# Altium PCB board.PcbDoc (part 2 of 3)
Units mm, origin at the board's own origin, x right, y up, seen from the top; angles counter-clockwise.
Board outline 44 x 64 mm, 2 copper layers (Top Layer, Bottom Layer), stack 1.5 mm thick; 184 components, 127 nets, 586 pads, 334 vias.
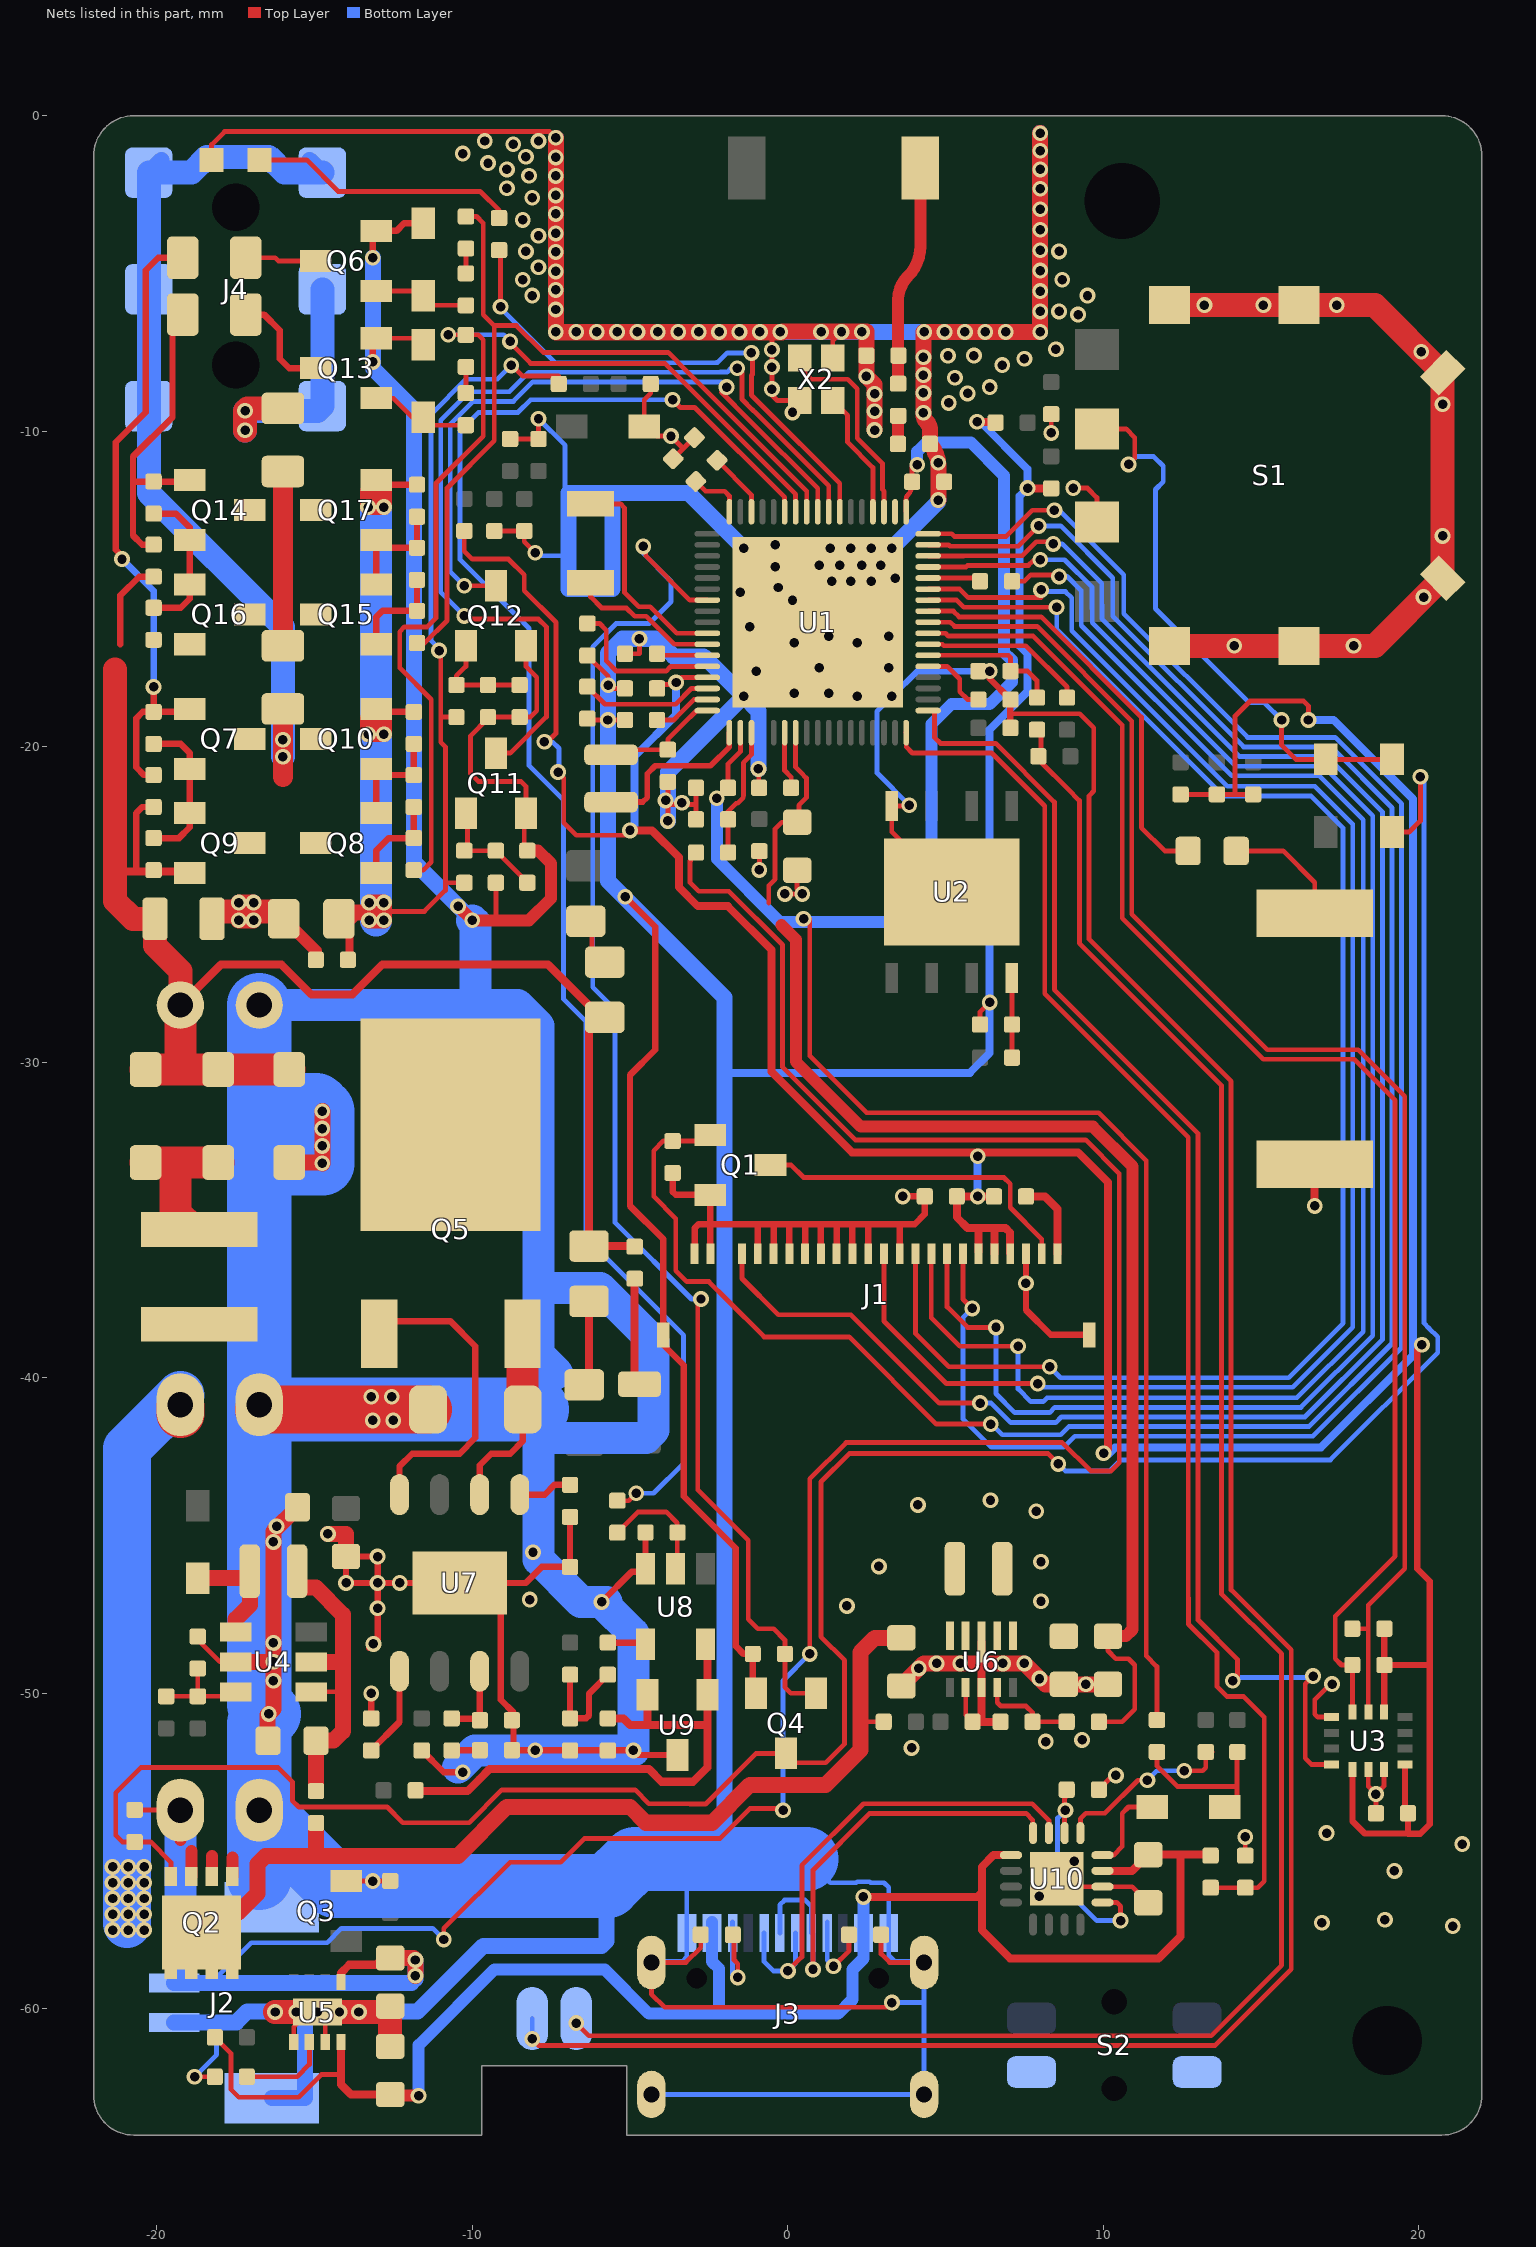
[diagram p2: the nets of this part, all layers, seen from the top]

## Via types
v1: diameter 0.5, hole 0.3, Top Layer to Bottom Layer, tented both sides, 334 vias

## Nets (pads, with @x,y where several pads share a name; then routed paths per layer and width w, separated by ;. In a path a pad name is that pad's centre, name@x,y a point inside that pad or via, vN(x,y) a via of type N, cw(c..) or ccw(c..) an arc to the next point about the centre after c; other vN are vias at no path point) (continued)
GND: BZ1.2 C1.1 C2.1 C3.1 C4.1 C5.1 C6.1 C7.1 C8.1 C9.1 C11.1 C13.2 C14.1 C15.1 C16.1 C17.2 C18.2 C19.2 C20.1 C21.1 C22.1 C23.1 C24.1 C25.1 C26.1 C27.1 C28.2 C29.2 C30.2 C32.2 C33.2 C34.2 C35.2 C36.2 C37.1 C38.1 C39.1 C40.1 C41.2 C42.1 C43.2 C44.1 C46.2 C47.1 C48.1 C50.1 C52.1 C53.1 C54.2 C55.1 C56.1 D6.1 D7.1 D8.1 D9.1 J1.0 J1.3 J1.11 J1.13 J1.14 J1.15 J1.16 J1.17 J1.18 J1.19 J1.20 J1.23 J1.24 J2.0 J2.2 J3.A1/B12 J3.B1/A12 J3.MH1 J3.MH2 J3.MH3 J3.MH4 LED1.2 MIC1.2 Q1.S Q3.S Q4.S Q6.E Q11.E Q12.E Q13.E R3.2 R10.1 R16.2 R19.1 R21.2 R23.1 R24.1 R25.1 R26.1 R29.1 R30.1 R32.1 R34.2 R36.2 R40.1 R43.1 R47.1 R57.2 R66.2 R69.2 S1.1 S1.2 S1.3 S1.4 S1.5 S1.6 S1.C S2.2 U1.0 U2.4 U3.1 U3.6 U3.7 U4.2 U5.0 U5.1 U5.3 U6.2 U6.3 U6.8 U7.0 U8.3 U9.3 U10.0 U10.2 X2.2 X2.4 | length 674.4
  Top Layer w0.152: v1(-18.8,-62.15) R21.2@-18.158,-62.15 ; R23.1@-18.692,-48.1 -18.7,-48.092 R23.1@-18.7,-48.196 -18.7,-48.3 -18,-49 U4.2@-17.5,-49 U4.2@-17.508,-48.992 ; LED1.2@-18.262,-1.4 -18.262,-0.912 -17.85,-0.5 -7.55,-0.5 v1(-7.35,-0.7) ; U5.1@-15.659,-61.048 -15.659,-60.569 -15.439,-60.348 -15.16,-60.348 v1(-14.909,-60.098) -14.659,-60.348 U5.3@-14.659,-61.048 ; Q3.S@-13.997,-55.95 v1(-13.15,-55.95) -13.142,-55.942 R24.1@-12.6,-55.942 ; Q13.E@-13.047,-7.05 -11.75,-7.05 D8.1@-11.55,-7.25 ; R10.1@-9.3,-13.158 C23.1@-8.35,-13.158 ; R57.2@-9.25,-24.308 -9.25,-25.35 -9.1,-25.5 ; C48.1@-8.8,-10.242 R47.1@-7.9,-10.242 v1(-7.9,-9.6) ; C50.1@-8.35,-23.292 -8.35,-22.153 Q11.E@-8.3,-22.103 -8.3,-21.25 -8.45,-21.1 -9.8,-21.1 -10.05,-20.85 -10.05,-19.65 -9.5,-19.1 R66.2@-9.5,-19.058 C56.1@-8.5,-19.058 -8.158,-19.058 -7.955,-18.855 -7.955,-17.795 -8.011,-17.739 ; C23.1@-8.35,-13.358 -8.35,-13.5 v1(-8,-13.85) ; Q12.E@-8.3,-16.803 -8.3,-17.45 -8.191,-17.559 ; -8.19,-17.559 -8.011,-17.738 ; v1(-8.1,-60.95) -7.895,-61.155 -2.994,-61.155 13.545,-61.155 15.955,-58.745 15.955,-48.624 14.05,-46.719 14.05,-30.6 9.55,-26.1 9.55,-21.55 9.7,-21.4 9.7,-19.4 9.25,-18.95 7.058,-18.95 ; C7.1@-6.35,-19.108 -6.308,-19.15 v1(-5.7,-19.15) C8.1@-5.158,-19.15 ; C6.1@-6.35,-17.108 -5.688,-17.77 v1(-5.688,-18.05) -5.694,-18.056 -5.6,-18.15 C18.2@-5.158,-18.15 ; C5.1@-5.158,-17.05 -4.699,-17.05 v1(-4.699,-16.575) ; C53.1@-4.342,-8.5 -4.342,-8.792 -4.55,-9 -4.55,-9.75 -4.15,-10.15 v1(-3.7,-10.15) -3.305,-10.545 ; v1@-3.9,-21.7 -3.8,-21.6 C21.1@-3.8,-21.108 ; v1(-3.871,-21.7) -3.871,-21.754 v1@-3.8,-21.825 ; v1(-3.8,-22.35) v1@-3.8,-21.825 ; C4.1@-3.631,-10.871 -3.305,-10.545 ; R3.2@-2.959,-10.199 -3.305,-10.545 ; C20.1@-2.908,-22.3 -2.908,-21.825 ; C19.2@-2.908,-21.3 -2.908,-21.825 ; R26.1@-2.758,-57.65 -2.758,-58.058 -3.228,-58.528 J3.MH4@-4.32,-58.528 -4.32,-59.53 -3.9,-59.95 3.15,-59.95 v1(3.3,-59.8) ; v1(-0.929,-20.702) -0.918,-20.712 -0.918,-21.29 C3.1@-0.908,-21.3 ; v1(-0.9,-23.9) C17.2@-0.9,-23.308 ; -0.5,-6.861 v1(-0.5,-7.413) v1(-0.5,-7.965) v1(-0.5,-8.662) -0.5,-8.85 -0.325,-9.025 X2.2@0.375,-9.025 ; v1@-0.186,-6.8 0.263,-6.8 1.011,-6.8 1.45,-6.8 1.494,-6.844 1.6,-6.95 1.425,-7.125 X2.4@1.425,-7.675 ; v1(-0.088,-24.662) v1(0.462,-24.662) 0.296,-24.496 0.296,-23.916 C16.1@0.3,-23.912 ; R25.1@2.958,-57.65 2.958,-58.258 3.228,-58.528 J3.MH1@4.32,-58.528 ; v1(3.85,-21.85) 3.82,-21.88 U2.4@3.295,-21.88 3.295,-22.695 U2.4@5.2,-24.6 ; U2.4@3.9,-24.6 U2.4@4.85,-24.6 ; U6.2@5.639,-49.819 5.639,-50.681 C37.1@5.858,-50.9 ; C15.1@6.092,-28.8 6.092,-28.408 v1(6.4,-28.1) ; v1(8.35,-10.05) C24.1@8.35,-9.458 ; U10.0@8.525,-55.875 8.775,-56.125 U10.2@9.975,-56.125 10.913,-56.125 C54.2@11.425,-56.637 ; v1(9.05,-11.8) 9.5,-11.8 9.8,-12.1 S1.C@9.8,-12.875 ; C55.1@9.858,-53.05 10.308,-52.6 v1(10.4,-52.6) ; R29.1@14.5,-55.142 v1(14.5,-54.55) ; U3.1@17.237,-50.75 16.8,-50.75 16.705,-50.655 16.705,-50.195 17.211,-49.689 17.234,-49.689 v1(17.25,-49.705) ; U3.6@18.4,-52.412 18.4,-52.95 v1(18.642,-53.192) ; C22.1@18.642,-53.8 v1(18.642,-53.192) ; U3.7@18.9,-52.412 18.9,-52.934 v1(18.642,-53.192) ; v1@-3.8,-21.825 -2.908,-21.825
  Top Layer w0.203: v1@-13.262,-48.562 v1(-13.131,-48.431) -13,-48.3 v1(-13,-47.3) v1(-13,-46.5) ; C38.1@-13.2,-50.792 v1(-13.2,-50) ; v1(-13.15,-7.8) -13.15,-7.153 Q13.E@-13.047,-7.05 ; v1(-13.15,-4.5) -13.15,-3.853 Q6.E@-13.047,-3.75 ; Q6.E@-13.047,-3.65 -12.4,-3.65 -12.15,-3.4 D7.1@-11.55,-3.4 ; R30.1@-11.6,-51.808 -11.592,-51.808 -10.9,-52.5 v1(-10.3,-52.5) ; R32.1@-6.9,-44.408 R43.1@-6.9,-45.992 -7.792,-45.992 -8.3,-46.5 U7.0@-9.8,-46.5 ; v1(-5.9,-47.1) -4.95,-46.15 -4.5,-46.15 -4.45,-46.1 U8.3@-4.504,-46.046 -4.508,-46.042 R34.2@-4.508,-44.9 ; v1(-5.15,-24.75) -4.2,-25.7 -4.2,-29.6 -5,-30.4 -5,-34.55 -3.95,-35.6 J1.0@-3.95,-38.637 -3.95,-38.95 -3.3,-39.6 -3.3,-43.75 -1.65,-45.4 -1.65,-48.5 -1.4,-48.75 R19.1@-1.108,-48.75 -1.108,-49.889 Q4.S@-1,-49.997 ; R16.2@-3.65,-33.508 -3.65,-34.1 -3.55,-34.2 Q1.S@-2.453,-34.2 -2.453,-35.13 ; U9.3@-3.5,-51.953 -4.747,-51.953 v1(-4.892,-51.808) C39.1@-5.7,-51.808 C44.1@-6.9,-51.808 -8.684,-51.808 -8.692,-51.8 -8.692,-50.608 -9.1,-50.2 -9.1,-47.2 U7.0@-9.8,-46.5 ; J1.24@-2.95,-36.062 -2.95,-35.25 -2.83,-35.13 -2.453,-35.13 ; J1.23@-2.45,-36.062 -2.453,-36.059 -2.453,-35.13 ; J1.20@-0.95,-36.063 -0.95,-35.145 ; J1.19@-0.45,-36.063 -0.45,-35.145 ; J1.18@0.05,-36.063 0.05,-35.145 ; J1.17@0.55,-36.062 0.55,-35.145 ; J1.16@1.05,-36.062 1.05,-35.145 ; J1.15@1.55,-36.062 1.55,-35.145 ; J1.14@2.05,-36.062 2.05,-35.145 ; J1.13@2.55,-36.062 2.55,-35.145 ; J1.11@3.55,-36.063 3.55,-35.145 3.565,-35.13 ; v1(3.644,-34.25) C27.1@4.342,-34.25 4.342,-34.808 4.02,-35.13 3.565,-35.13 ; C11.1@6.042,-17.6 v1(6.402,-17.6) 6.402,-17.844 C2.1@7.058,-18.5 7.058,-18.95 C1.1@7.058,-19.4 ; J1.3@7.55,-36.062 v1(7.55,-37) 7.55,-37.85 8.337,-38.637 J1.0@9.55,-38.637 ; v1(-13,-46.5) v1(-14,-46.5) C36.2@-14,-45.662 v1(-13,-45.662) v1(-13,-46.5) ; v1(-13,-46.5) v1(-12.3,-46.5) U7.0@-10.4,-46.5 U7.0@-9.8,-46.5 ; -2.453,-35.13 3.565,-35.13
  Top Layer w0.254: C37.1@5.858,-50.9 6.139,-50.9 ; v1(6,-9.7) 6.563,-9.7 C26.1@6.587,-9.724 ; U6.8@6.139,-48.369 6.139,-49.05 U6.3@6.139,-49.819 6.139,-50.9 ; R36.2@6.742,-50.9 6.139,-50.9 ; v1(7.6,-11.8) 7.608,-11.808 C25.1@8.35,-11.808 ; v1(16.7,-34.551) BZ1.2@16.7,-33.225
  Top Layer w0.381: R69.2@-15.976,-25.45 -14.958,-26.468 C52.1@-14.958,-26.75 ; v1(-10.45,-25.05) v1(-10,-25.5) -9.1,-25.5 -8.2,-25.5 -7.5,-24.8 -7.5,-23.7 -7.908,-23.292 C50.1@-8.25,-23.292
  Top Layer w0.508: U4.2@-17.5,-49 v1(-16.3,-49) ; C29.2@-16.491,-51.517 -16.491,-50.691 v1(-16.45,-50.65) -16.3,-50.5 v1(-16.3,-49.6) v1(-16.3,-49) ; R69.2@-16.109,-25.218 R69.2@-15.776,-25.55 ; D6.1@-15.8,-33.175 -14.775,-33.175 v1(-14.75,-33.2) -14.75,-32.711 -14.761,-32.7 v1@-14.761,-32.65 ; C33.2@-15.538,-44.1 -16.3,-44.862 v1(-16.3,-45.2) v1(-16.3,-48.4) v1(-16.3,-49) ; v1(-14.75,-32.65) v1(-14.75,-32.1) v1(-14.75,-31.55) ; v1(-14.573,-44.944) -14,-44.944 C36.2@-14,-45.662 ; v1(-7.35,-0.7) -7.35,-6.861 -0.5,-6.861 -0.186,-6.861 -0.168,-6.844 1.494,-6.844 2.494,-6.844 2.494,-7.598 C13.2@2.492,-7.6 ; C13.2@2.492,-7.7 v1(2.492,-8.26) 2.75,-8.518 v1(2.75,-8.817) v1(2.75,-9.364) v1(2.75,-9.959) ; C35.2@3.6,-49.762 4.312,-49.05 6.139,-49.05 v1(7.5,-49.05) 8.162,-49.712 C41.2@8.75,-49.712 C43.2@10.15,-49.712 ; v1(4.771,-12.179) 4.771,-11.051 ccw(c4.115,-11.024) 4.674,-10.681 ccw(c4.044,-10.864) C14.1@4.508,-10.4 4.508,-9.961 ccw(c4.139,-9.961) 4.4,-9.7 cw(c4.641,-9.459) 4.3,-9.459 v1(4.3,-9.409) v1(4.3,-8.785) v1(4.3,-8.218) v1(4.3,-7.65) 4.3,-6.85 v1(4.969,-6.85) v1(5.616,-6.85) v1(6.262,-6.85) v1(6.909,-6.85) v1(8,-6.85) v1(8,-6.202) v1(8,-5.554) v1(8,-4.907) v1(8,-4.259) v1(8,-3.611) v1(8,-2.963) v1(8,-0.554) ; -17.4,-25.218 -16.931,-25.218 ; -17.4,-25.218 v1(-17.4,-24.935) v1(-16.931,-24.935) -16.931,-25.218 ; -17.4,-25.218 v1(-17.4,-25.5) v1(-16.931,-25.5) -16.931,-25.218
  Top Layer w0.762: C47.1@-18.25,-25.45 -18.018,-25.218 -17.4,-25.218 ; -16.931,-25.218 R69.2@-16.109,-25.218 ; v1(-16.248,-60.098) v1(-15.579,-60.098) v1(-14.909,-60.098) v1(-14.207,-60.098) v1(-13.592,-60.098) -12.786,-60.098 C32.2@-12.6,-59.912 C30.2@-12.6,-61.188 ; S1.1@12.1,-16.8 S1.2@16.2,-16.8 18.605,-16.8 S1.3@20.753,-14.653 S1.4@20.753,-8.147 18.605,-6 S1.5@16.2,-6 S1.6@12.1,-6
  Top Layer w1.524: C34.2@-16.75,-41 R40.1@-11.4,-41
  Bottom Layer w0.152: v1(-18.8,-62.15) -18.103,-61.453 -18.103,-60.425 ; v1(-8.1,-60.95) MIC1.2@-8.1,-60.3 ; v1(-8,-13.85) -7.907,-13.943 -6.95,-13.943 -7.057,-14.05 ; v1(-7.9,-9.6) -7.057,-10.443 -7.057,-11.95 ; J3.MH3@-4.32,-62.708 J3.MH2@4.32,-62.708 4.32,-59.823 ; J3.MH4@-4.32,-58.528 -4.292,-58.5 -3.35,-58.5 -3.2,-58.35 -3.2,-57.248 -3.2,-55.3 ; v1@-0.1,-24.65 v1(-0.088,-24.662) ; 0.6,-55.25 1.35,-56 2.173,-56 2.202,-55.971 2.598,-55.971 2.627,-56 3.05,-56 3.2,-56.15 3.2,-57.248 3.2,-58.3 3.4,-58.5 4.292,-58.5 J3.MH1@4.32,-58.528 4.32,-59.823 ; v1(3.3,-59.8) 4.297,-59.8 4.32,-59.823 ; v1(3.3,-18.4) 2.829,-18.871 2.829,-20.829 v1(3.85,-21.85) ; v1@9,-11.8 v1(9.05,-11.8) ; v1@17.224,-49.689 17.241,-49.705 v1(17.25,-49.705) ; v1@18.6,-53.15 v1(18.642,-53.192)
  Bottom Layer w0.203: v1(3.3,-18.4) 4.1,-17.6 v1(6.402,-17.6) v1@6.45,-17.6
  Bottom Layer w0.254: -2,-30.328 -1.998,-30.33 5.77,-30.33 6.4,-29.7 v1(6.4,-28.1) 6.4,-19.45 7.6,-18.25 7.6,-17.05 7.35,-16.8 7.35,-12.05 v1(7.6,-11.8) 7.6,-11.2 6.1,-9.7 v1(6,-9.7)
  Bottom Layer w0.508: J2.2@-19.45,-60.425 -18.103,-60.425 -17.475,-60.425 -17.13,-60.08 -15.3,-60.08 ; J2.0@-16.35,-62.825 -15.3,-62.825 -15.3,-60.477 ; -15.352,-60.425 -15.3,-60.477 ; v1(-13.15,-4.5) v1(-13.15,-7.8) -13.15,-8 -11.85,-9.3 -11.85,-23.65 v1(-10.45,-25.05) v1(-10,-25.5) ; v1(-7.35,-0.7) v1(-7.35,-6.85) v1(-6.703,-6.85) v1(-6.057,-6.85) v1(-5.41,-6.85) v1(-4.763,-6.85) v1(-4.117,-6.85) v1(-3.47,-6.85) v1(-2.823,-6.85) v1(-2.177,-6.85) v1(-1.53,-6.85) v1(-0.883,-6.85) v1(-0.237,-6.85) v1(1.056,-6.85) v1(1.703,-6.85) v1(2.35,-6.85) v1(4.322,-6.85) v1(4.969,-6.85) v1(5.616,-6.85) v1(6.262,-6.85) v1(6.909,-6.85) v1(8,-6.85) v1(8,-6.202) v1(8,-5.554) v1(8,-4.907) v1(8,-4.259) v1(8,-3.611) v1(8,-2.963) v1(8,-0.554) ; -5.75,-56.75 -5.75,-57.85 -5.9,-58 -9.65,-58 -11.73,-60.08 -15.3,-60.08 ; v1(-3.8,-22.35) -3.8,-20.8 v1(-1.4,-18.4) ; -3.2,-55.3 -2.65,-55.3 ; -2,-54.804 -2,-30.328 -2,-27.95 -5.7,-24.25 v1(-5.7,-19.15) -5.7,-17.034 -5.241,-16.575 v1(-4.699,-16.575) -4.192,-16.575 -4.184,-16.566 -3.614,-17.136 -2.664,-17.136 v1(-1.4,-18.4) ; v1(-1.4,-13.7) -3.15,-11.95 -5.5,-11.95 ; v1(-0.929,-20.702) -0.929,-18.871 v1(-1.4,-18.4) ; v1(3.3,-13.7) 4.735,-12.265 ccw(c4.648,-12.179) v1(4.771,-12.179) ; -15.3,-60.477 -15.3,-60.08 ; -5.5,-11.95 -5.55,-12 -5.55,-15 -6.95,-15 -6.95,-13.943 -6.95,-11.95 -5.5,-11.95
  Bottom Layer w1.016: C46.2@-16.75,-28.186 -9.9,-28.186 ; v1@-10.45,-52.35 -9.908,-51.808 v1(-4.892,-51.808) -4.892,-48.108 v1(-5.9,-47.1) ; v1(-10,-25.5) -9.9,-25.6 -9.9,-28.186 ; -7.95,-41 -7.9,-40.95 ; -7.308,-39.85 -7.9,-39.258 ; v1@-5.75,-47.1 v1(-5.9,-47.1) ; -9.9,-28.186 -8.564,-28.186 -7.9,-28.85 -7.9,-37.15 ; -7.9,-41.9 -7.9,-40.95 ; -7.9,-41.9 -7.9,-45.75 -6.55,-47.1 v1(-5.9,-47.1) ; -7.9,-41.9 -4.5,-41.9 -4.25,-41.65 -4.25,-38.85 -5.95,-37.15 -7.9,-37.15 ; -7.9,-40.95 -7.9,-39.258 ; -7.9,-39.258 -7.9,-37.15
  Bottom Layer w2.032: -16.75,-55.85 C28.2@-16.75,-53.7 ; C46.2@-16.75,-28.186 -16.75,-31.35 ; -7.95,-41 C34.2@-16.75,-41 ; 0.6,-55.25 -4.85,-55.25 -5.7,-56.1 -14.35,-56.1 C28.2@-16.75,-53.7 ; C28.2@-16.75,-53.7 -16.75,-50.95 v1(-16.45,-50.65) -16.75,-50.35 C34.2@-16.75,-41 ; C34.2@-16.75,-41 -16.75,-33.25 ; -16.75,-33.25 -16.75,-31.35 ; -16.75,-33.25 -16.7,-33.2 v1(-14.75,-33.2) v1(-14.75,-32.65) v1(-14.75,-32.1) v1(-14.75,-31.55) -14.95,-31.35 -16.75,-31.35
  other v1: 21.076,-57.376 16.929,-57.267 18.926,-57.176 7.975,-56.425 19.226,-55.626 9.075,-55.325 21.376,-54.776 17.076,-54.426 -8,-51.8 3.926,-51.726 8.176,-51.526 9.326,-51.476 9.45,-49.712 7.979,-49.529 4.153,-49.209 4.717,-49.05 5.47,-49.05 6.819,-49.05 1.876,-47.226 8.026,-47.076 -8.174,-47.026 2.888,-45.976 8.026,-45.826 -8.074,-45.526 -16.2,-44.7 7.876,-44.226 4.126,-44.026 6.426,-43.876 -13.15,-41.35 -12.5,-41.35 -13.2,-40.6 -12.55,-40.6 -3.354,-21.775 2.2,-18.4 0.2,-18.3 1.3,-18.3 -1,-17.6 1,-17.5 3.2,-17.5 14.15,-16.8 17.932,-16.8 0.2,-16.7 2.2,-16.7 1.3,-16.5 3.2,-16.5 -1.2,-16.2 0.15,-15.35 20.149,-15.256 -1.5,-15.1 -0.3,-14.95 1.4,-14.75 2,-14.75 2.65,-14.75 3.4,-14.65 -0.4,-14.3 1,-14.25 1.65,-14.25 2.35,-14.25 2.95,-14.25 1.35,-13.7 2,-13.7 2.65,-13.7 -0.4,-13.6 20.753,-13.318 4.771,-10.998 0.15,-9.4 20.753,-9.143 5.1,-9.1 5.7,-8.8 6.4,-8.6 5.3,-8.3 6.8,-7.9 7.5,-7.7 5.079,-7.608 5.9,-7.6 20.081,-7.475 8.5,-7.4 9.2,-6.3 8.6,-6.2 -7.35,-6.14 13.206,-6 15.075,-6 17.403,-6 -8.1,-5.7 9.5,-5.7 -7.35,-5.521 -8.4,-5.2 8.7,-5.2 -7.35,-4.934 -7.9,-4.8 -8.3,-4.3 -7.35,-4.316 8.6,-4.3 -7.9,-3.8 -7.35,-3.729 -8.4,-3.3 -7.35,-3.11 -8.1,-2.6 -7.35,-2.524 8,-2.315 -8.9,-2.3 -7.35,-1.905 -8.2,-1.9 -8.9,-1.7 8,-1.7 -9.5,-1.5 -8.3,-1.3 -7.35,-1.319 -10.3,-1.2 8,-1.111 -8.7,-0.9 -9.6,-0.8 -7.9,-0.8
I2C_SCL: R11.2 U1.43 U3.13 | length 45.4
  Top Layer w0.152: U1.43@4.45,-16.05 5.15,-16.05 5.286,-16.186 7.905,-16.186 10.905,-19.186 10.905,-25.305 15.2,-29.6 18.081,-29.6 19.555,-31.074 19.555,-46.045 18.4,-47.2 18.4,-47.95 ; R11.2@17.892,-47.95 18.4,-47.95 ; U3.13@18.4,-50.587 18.4,-47.95
I2C_SDA: R12.2 U1.42 U3.14 | length 45.1
  Top Layer w0.152: U1.42@4.45,-16.4 5,-16.4 5.09,-16.49 7.778,-16.49 10.6,-19.312 10.6,-25.431 15.074,-29.905 17.955,-29.905 19.25,-31.2 19.25,-45.65 17.35,-47.55 17.35,-48.9 17.55,-49.1 R12.2@17.892,-49.1 17.9,-49.108 U3.14@17.9,-50.587
IMU_INT: U1.35 U3.4 | length 42.2
  Top Layer w0.152: U1.35@4.45,-18.85 4.6,-18.85 4.65,-18.9 4.65,-19.7 4.84,-19.89 6.59,-19.89 8.45,-21.75 8.45,-27.7 13,-32.25 13,-46.85 13.005,-46.855 13.005,-47.674 14.25,-48.919 14.25,-49.45 v1(14.1,-49.6) ; v1(16.65,-49.45) 16.4,-49.7 16.4,-52.05 16.55,-52.2 16.6,-52.25 U3.4@17.237,-52.25
  Bottom Layer w0.152: v1(14.1,-49.6) 14.2,-49.5 16.6,-49.5 v1(16.65,-49.45)
LCD_BL: Q1.G R16.1 U1.50 | length 68.5
  Top Layer w0.152: Q1.G@-2.453,-32.3 -2.645,-32.492 R16.1@-3.65,-32.492 -3.942,-32.492 -4.25,-32.8 -4.25,-34.25 -3.55,-34.95 -3.55,-36.6 -3.2,-36.95 -2.5,-36.95 -1.95,-37.5 -0.75,-38.7 1.95,-38.7 4.713,-41.463 v1(6.437,-41.463) ; U1.50@4.45,-13.6 5.1,-13.6 5.14,-13.64 7.31,-13.64 v1(7.95,-13)
  Bottom Layer w0.152: v1(6.437,-41.463) 6.45,-41.45 6.8,-41.8 8.65,-41.8 8.905,-41.545 16.517,-41.545 19.151,-38.911 19.151,-21.932 17.224,-20.005 14.448,-20.005 10.3,-15.857 10.3,-14.65 8.65,-13 v1(7.95,-13)
LCD_CS: J1.8 U1.48 | length 53.5
  Top Layer w0.152: U1.48@4.45,-14.3 5.65,-14.3 5.7,-14.25 7.626,-14.25 7.776,-14.1 7.95,-14.1 7.961,-14.111 v1(8,-14.071) ; J1.8@5.05,-36.062 5.05,-37.75 5.7,-38.4 v1(6.6,-38.4)
  Bottom Layer w0.152: v1(6.6,-38.4) 6.6,-40.5 7.2,-41.1 8.3,-41.1 8.464,-40.936 16.264,-40.936 18.541,-38.659 18.541,-22.184 16.971,-20.614 14.195,-20.614 9.65,-16.069 9.65,-15.631 9.645,-15.626 9.645,-14.945 8.771,-14.071 v1(8,-14.071)
LCD_MOSI: J1.12 U1.46 | length 52.1
  Top Layer w0.152: J1.12@3.05,-36.063 3.05,-38.2 5.031,-40.181 7.925,-40.181 v1(7.923,-40.183) ; U1.46@4.45,-15 5.45,-15 5.721,-15.271 8.029,-15.271 v1(8.029,-15.029)
  Bottom Layer w0.152: v1(7.923,-40.183) 7.948,-40.158 7.948,-40.148 8.099,-40.299 16.001,-40.299 17.905,-38.395 17.905,-22.448 16.708,-21.251 13.932,-21.251 9,-16.319 9,-15.28 8.798,-15.079 8.079,-15.079 v1(8.029,-15.029)
LCD_RESET: J1.7 U1.51 | length 58.3
  Top Layer w0.152: U1.51@4.45,-13.25 5.2,-13.25 5.286,-13.336 6.914,-13.336 7.75,-12.5 v1(8.45,-12.5) ; J1.7@5.55,-36.062 5.55,-37.5 v1(5.85,-37.8)
  Bottom Layer w0.152: v1(5.85,-37.8) 5.55,-38.1 5.55,-41.3 6.45,-42.2 8.75,-42.2 9.1,-41.85 16.643,-41.85 19.456,-39.038 19.456,-21.806 17.35,-19.7 14.574,-19.7 10.65,-15.776 10.65,-14.55 8.6,-12.5 v1(8.45,-12.5)
LCD_RS: J1.10 U1.45 | length 49.6
  Top Layer w0.152: J1.10@4.05,-36.063 4.05,-38.6 5.1,-39.65 v1(8.3,-39.65) ; U1.45@4.45,-15.35 5.35,-15.35 5.576,-15.576 v1(8.521,-15.576)
  Bottom Layer w0.152: v1(8.3,-39.65) 8.644,-39.994 15.875,-39.994 17.6,-38.269 17.6,-22.574 16.581,-21.556 13.806,-21.556 8.526,-16.276 8.526,-15.581 v1(8.521,-15.576)
LCD_SCK: J1.9 R2.2 | length 49.8
  Top Layer w0.152: J1.9@4.55,-36.062 4.55,-38.1 5.45,-39 v1(7.3,-39) ; R2.2@7.108,-14.75 7.5,-14.75 7.7,-14.55 8.55,-14.55 v1(8.6,-14.6)
  Bottom Layer w0.152: v1(7.3,-39) 7.3,-40.35 7.7,-40.75 8.1,-40.75 8.219,-40.631 16.138,-40.631 18.236,-38.533 18.236,-22.311 16.845,-20.919 14.069,-20.919 9.305,-16.155 9.305,-15.154 9.3,-15.149 9.3,-15.05 8.85,-14.6 v1(8.6,-14.6)
LCD_TE: J1.21 U1.49 | length 59.6
  Top Layer w0.152: J1.21@-1.45,-36.062 -1.45,-36.85 -0.3,-38 2,-38 4.8,-40.8 v1(6.094,-40.8) ; U1.49@4.45,-13.95 5.569,-13.95 5.574,-13.945 7.436,-13.945 7.881,-13.5 8.154,-13.5 8.157,-13.503 8.35,-13.503 v1(8.417,-13.57)
  Bottom Layer w0.152: v1(6.094,-40.8) 6.45,-40.8 7.069,-41.419 8.495,-41.419 8.674,-41.24 8.8,-41.24 16.391,-41.24 18.846,-38.785 18.846,-22.058 17.097,-20.31 14.322,-20.31 9.955,-15.943 9.955,-15.505 9.95,-15.5 9.95,-14.819 8.701,-13.57 v1(8.417,-13.57)
LED_ODRV: R6.2 U1.58 | length 16.9
  Top Layer w0.152: R6.2@-9.15,-4.258 -9.1,-4.308 v1(-9.1,-6.05) ; v1(-1.15,-7.517) -1.121,-7.546 -1.121,-8.198 -1.15,-8.227 -1.15,-8.85 -0.8,-9.2 1.65,-11.65 U1.58@1.65,-12.55
  Bottom Layer w0.152: v1(-9.1,-6.05) -9.1,-6.1 -7.375,-7.825 -2.271,-7.825 -2.262,-7.817 -2.217,-7.817 -1.917,-7.517 v1(-1.15,-7.517)
MVDD: C11.2 R7.2 U1.40 | length 4.6
  Top Layer w0.152: U1.40@4.45,-17.1 6.995,-17.1 7.058,-17.163 C11.2@7.058,-17.6 7.6,-17.6 7.9,-17.9 R7.2@7.9,-18.442
NetANT1_1: ANT1.1 C12.2 C13.1 | length 7.1
  Top Layer w0.381: C12.2@3.5,-8.492 C13.1@3.5,-7.708 ; C13.1@3.508,-7.7 C13.1@3.5,-7.708 ; C13.1@3.508,-7.6 C13.1@3.5,-7.608 ; ANT1.1@4.2,-1.65 4.2,-4.134 cw(c2.834,-4.134) 3.8,-5.1 ccw(c4.524,-5.824) 3.5,-5.824 C13.1@3.5,-7.608 ; C13.1@3.5,-7.708 C13.1@3.5,-7.608
NetBZ1_1: BZ1.1 R9.2 | length 3.9
  Top Layer w0.152: R9.2@14.212,-23.3 15.7,-23.3 16.7,-24.3 BZ1.1@16.7,-25.275
NetC2_2: C2.2 U1.39 | length 2.3
  Top Layer w0.152: U1.39@4.45,-17.45 5.05,-17.45 5.45,-17.85 5.45,-18.25 5.7,-18.5 C2.2@6.042,-18.5
NetC3_2: C3.2 U1.23 | length 1.8
  Top Layer w0.152: U1.23@-0.1,-19.55 -0.1,-20 -0.1,-20.75 0.108,-20.958 C3.2@0.108,-21.3
NetC4_2: C4.2 U1.68 | length 1.8
  Top Layer w0.152: C4.2@-2.913,-11.59 -2.602,-11.9 -2,-11.9 -1.85,-12.05 U1.68@-1.85,-12.55
NetC5_2: C5.2 U1.12 | length 1.6
  Top Layer w0.152: C5.2@-4.142,-17.05 -4.092,-17.1 U1.12@-2.55,-17.1
NetC6_2: C6.2 U1.13 | length 5.1
  Top Layer w0.152: C6.2@-6.35,-16.092 -5.958,-16.092 -5.75,-16.3 -5.75,-17.277 -5.427,-17.6 -3.854,-17.6 -3.737,-17.483 -3.733,-17.483 -3.7,-17.45 U1.13@-2.55,-17.45
NetC7_2: C7.2 U1.15 | length 4.2
  Top Layer w0.152: C7.2@-6.35,-18.092 -5.792,-18.65 -3.55,-18.65 -3.05,-18.15 U1.15@-2.55,-18.15
NetC8_2: C8.2 U1.16 | length 1.9
  Top Layer w0.152: C8.2@-4.142,-19.15 -3.619,-19.15 -3.469,-19 -2.974,-18.505 -2.555,-18.505 U1.16@-2.55,-18.5
NetC10_2: C10.2 U1.41 | length 5.3
  Top Layer w0.152: U1.41@4.45,-16.75 4.9,-16.75 4.945,-16.795 7.545,-16.795 8.85,-18.1 C10.2@8.85,-18.442
NetC12_1: C12.1 C14.2 U1.53 | length 1
  Top Layer w0.152: C12.1@3.45,-9.608 3.475,-9.583 C12.1@3.5,-9.558
  Top Layer w0.381: C12.1@3.45,-9.558 3.475,-9.583 C12.1@3.492,-9.6 ; C14.2@3.492,-10.4 3.5,-10.392 C12.1@3.5,-9.558
NetC15_2: C15.2 R1.2 U2.8 | length 2.5
  Top Layer w0.152: U2.8@7.105,-27.32 7.105,-28.797 C15.2@7.108,-28.8 R1.2@7.108,-29.85
NetC20_2: C20.2 R4.2 U1.20 | length 4.1
  Top Layer w0.152: R4.2@-1.892,-23.3 C20.2@-1.892,-22.3 -1.892,-22.042 -1.639,-21.789 -1.588,-21.789 -1.409,-21.61 -1.409,-21.559 -1.4,-21.55 -1.4,-20.907 -1.407,-20.9 -1.407,-20.504 -1.15,-20.246 U1.20@-1.15,-19.55
NetC21_2: C21.2 L1.2 U1.17 | length 3.8
  Top Layer w0.152: L1.2@-5.55,-20.2 -5.442,-20.092 C21.2@-3.8,-20.092 -3.8,-19.762 -3.343,-19.305 -2.893,-18.855 -2.555,-18.855 U1.17@-2.55,-18.85
NetC29_1: C29.1 L2.1 R75.2 U4.4 U4.5 | length 10.6
  Top Layer w0.152: U4.4@-15.1,-49.95 -14.125,-49.95 -14.1,-49.925
  Top Layer w0.508: L2.1@-15.55,-46.124 -15.55,-46.65 -14.95,-46.65 -14.1,-47.5 -14.1,-49.05 ; U4.5@-15.1,-49 -14.15,-49 -14.1,-49.05 ; R75.2@-14.95,-53.092 C29.1@-14.95,-51.5 -14.4,-51.5 -14.1,-51.2 -14.1,-49.925 -14.1,-49.05
NetC31_2: C31.2 R22.2 R23.2 U4.3 | length 3.2
  Top Layer w0.152: C31.2@-19.7,-50.092 R22.2@-18.7,-50.092 ; R23.2@-18.7,-49.108 R23.2@-18.7,-49.212 R22.2@-18.7,-50.092 ; U4.3@-17.5,-49.95 -17.642,-50.092 R22.2@-18.7,-50.092
NetC38_2: C38.2 U7.1 | length 2.9
  Top Layer w0.203: C38.2@-13.2,-51.808 -13.2,-51.8 -12.305,-50.905 U7.1@-12.305,-49.3
NetC39_2: C39.2 R33.2 U8.5 U9.1 U9.2 | length 18
  Top Layer w0.254: R33.2@-11.792,-53.075 -11.767,-53.1 -10.151,-53.1 -9.771,-52.719 -9.451,-52.4 -4.4,-52.4 -4,-52.8 -3,-52.8 -2.55,-52.35 -2.55,-51 ; C39.2@-5.7,-50.792 -5.208,-50.792 -5,-51 -4.5,-51 ; U9.2@-4.45,-50.047 -4.45,-50.95 -4.5,-51 ; U8.5@-2.55,-48.5 U9.1@-2.55,-50.047 -2.55,-51 ; -4.5,-51 -2.55,-51